# Altium PCB ReboostV2.1.PcbDoc (part 2 of 2)
Units mm, origin at the board's own origin, x right, y up, seen from the top; angles counter-clockwise.
Board outline 94.5 x 80.5 mm, 4 copper layers (Top Layer, Layer 1, Layer 2, Bottom Layer), stack 1.62 mm thick; 177 components, 113 nets, 589 pads, 278 vias.
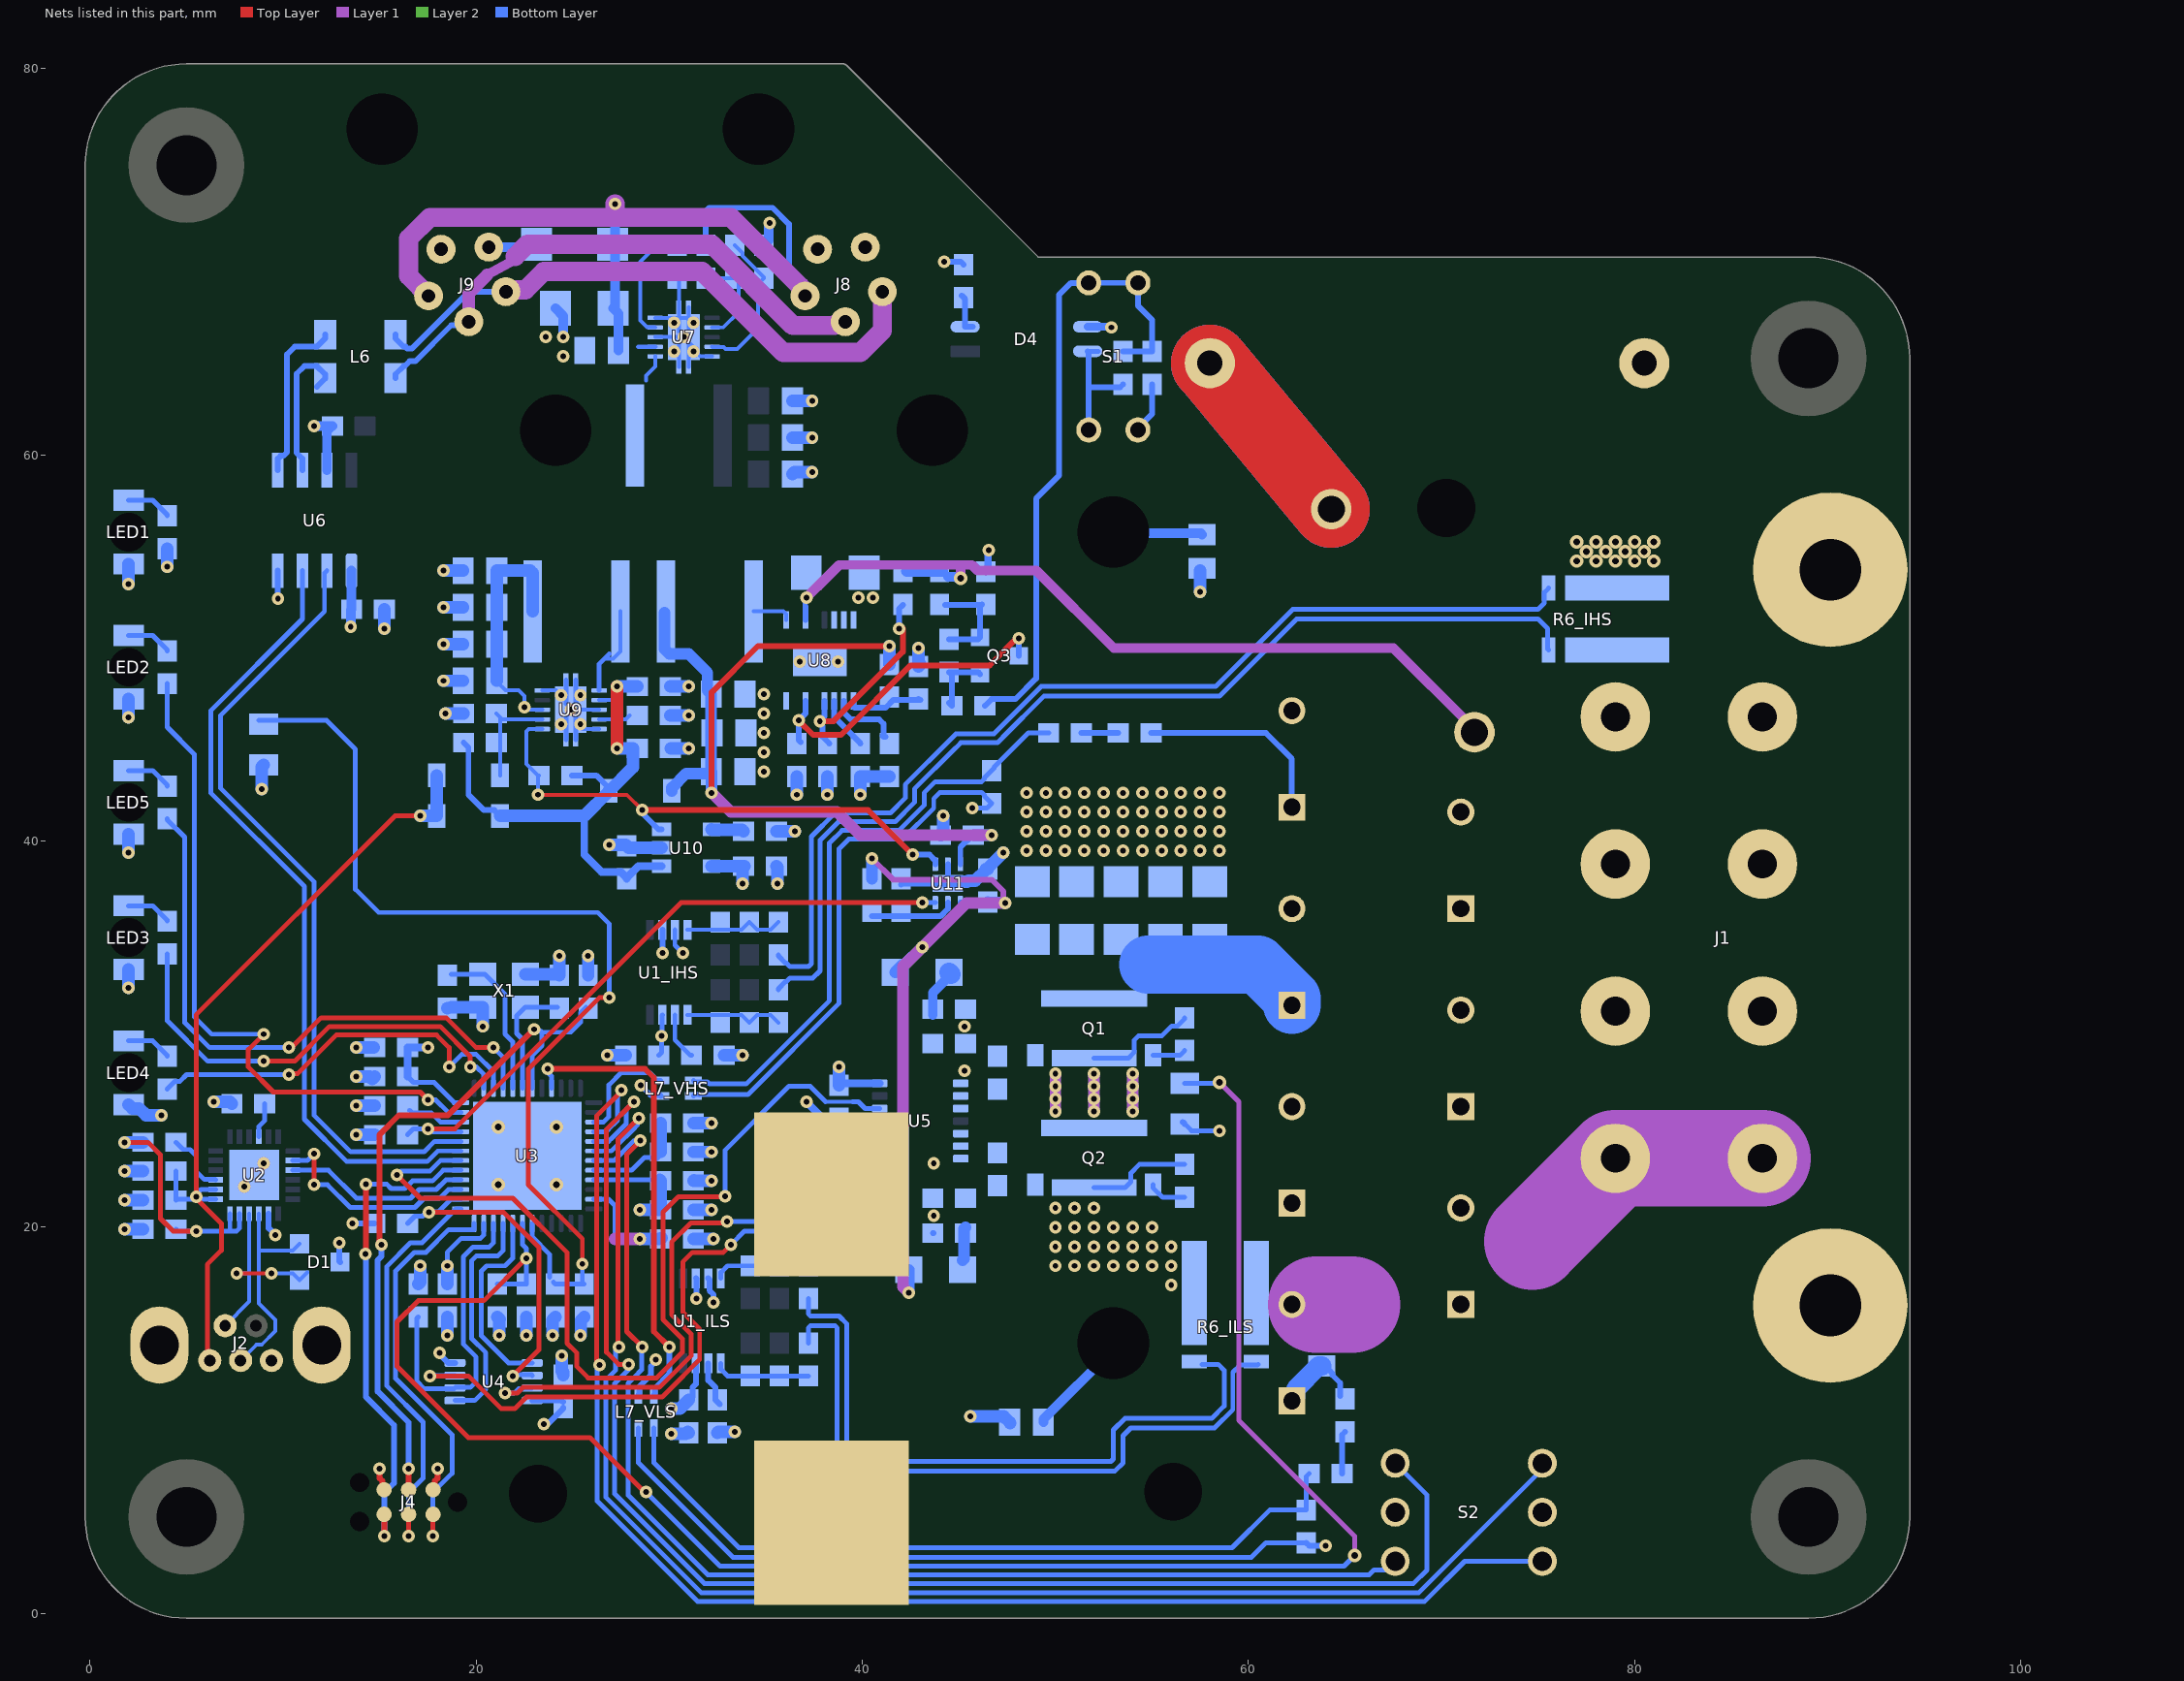
[diagram p4: the nets of this part, all layers, seen from the top]

## Via types
v1: diameter 0.65, hole 0.3, Top Layer to Bottom Layer, tented both sides, 256 vias
v2: diameter 0.7, hole 0.35, Top Layer to Bottom Layer, tented both sides, 22 vias

## Nets (pads, with @x,y where several pads share a name; then routed paths per layer and width w, separated by ;. In a path a pad name is that pad's centre, name@x,y a point inside that pad or via, vN(x,y) a via of type N, cw(c..) or ccw(c..) an arc to the next point about the centre after c; other vN are vias at no path point) (continued)
CANH: J8.2 J9.2 L6.3 | length 28.8
  Layer 1 w0.5: 20.573,69.327 22,70.1 22.024,70.124 22.024,70.284
  Layer 1 w0.65: J9.2@19.62,66.897 19.62,68.374 20.573,69.327
  Layer 1 w1: 22.024,70.284 22.641,70.9 32.2,70.9 36.4,66.7 38.569,66.7 38.671,66.802 J8.2@39.018,66.802
  Bottom Layer w0.3: L6.3@15.825,63.975 15.825,64.175 16.25,64.6 16.3,64.6 16.55,64.85 16.85,64.85 18.71,66.71 19.433,66.71 J9.2@19.62,66.897
CANL: J8.3 J9.3 L6.2 | length 31.5
  Layer 1 w1: J9.3@21.538,68.454 21.634,68.55 22.55,68.55 23.5,69.5 31.7,69.5 35.9,65.3 39.9,65.3 41.038,66.438 J8.3@41.038,68.454
  Bottom Layer w0.3: L6.2@15.825,66.225 15.825,66.025 16.25,65.6 16.35,65.6 16.434,65.516 16.683,65.516 19.621,68.454 J9.3@21.538,68.454
CANRX: U3.43 U6.3 | length 41.6
  Bottom Layer w0.25: U6.3@11,54 11,51.5 6.25,46.75 6.25,42.5 11.1,37.65 11.1,25.593 13.293,23.4 17.464,23.4 18.014,23.95 U3.43@19.2,23.95
CANTX: U3.44 U6.2 | length 41.1
  Bottom Layer w0.25: U6.2@12.27,54 12.145,53.875 12.145,51.895 6.75,46.5 6.75,42.75 11.6,37.9 11.6,25.8 13.5,23.9 17.3,23.9 17.85,24.45 U3.44@19.2,24.45
CGND: C39.1 C43.1 C44.1 C46.1 C47.1 C58.1 C62.1 D8.1 J8.4 J9.4 R29.1 R31.1 U6.7 U7.3@29.275,66.1 U7.5 U7.10 U7.CP | length 26.2
  Bottom Layer w0.2: U7.3@29.275,66.1 U7.CP@30.75,66.1 ; U7.5@29.275,67.1 U7.CP@30.5,67.1 ; C47.1@30.4,69.15 30.5,69.05 U7.CP@30.5,67.65 U7.CP@30.5,67.1 ; U7.CP@30.5,64.55 30.5,65.835 30.75,66.085 U7.CP@30.75,66.1 ; U7.CP@31,64.55 U7.CP@31,65.769 ; U7.CP@31,67.65 U7.CP@31,66.978 ; U7.CP@31.25,66.85 31.128,66.85 U7.CP@31,66.978 ; U7.10@32.225,65.1 31.6,65.1 31.204,65.496 31.204,65.646 U7.CP@30.75,66.1 ; U7.CP@30.5,67.1 30.5,66.365 U7.CP@30.75,66.115 ; U7.CP@30.5,67.1 30.878,67.1 U7.CP@31,66.978 ; U7.CP@30.75,66.1 U7.CP@30.75,66.115 ; U7.CP@30.75,66.115 30.75,66.181 31,66.431 U7.CP@31,66.978
  Bottom Layer w0.3: v1(44.25,70) 45.1,70 R29.1@45.25,69.85
  Bottom Layer w0.5: v1(11.6,61.5) C39.1@12.52,61.5 ; U6.7@12.27,59.2 12.27,61.25 C39.1@12.52,61.5 ; C39.1@12.55,61.5 C39.1@12.52,61.5 ; J9.4@20.655,70.761 22.991,70.761 D8.1@23.13,70.9 ; C44.1@24.1,67.6 24.5,67.2 v1(24.5,66.1) ; R31.1@34.9,70.85 35.15,71.1 35.15,71.909 35.2,71.959 v1(35.2,72)
  Bottom Layer w0.65: C46.1@36.375,59 36.475,59.1 v1(37.4,59.1) ; C62.1@36.375,60.9 v1(37.4,60.9) ; C58.1@36.375,62.8 v1(37.4,62.8)
  other v1: 24.5,65.1 23.6,66.1
D_N: D1.K1 J2.2 U2.4 | length 10.9
  Top Layer w0.2: v1(7.6,17.6) v1(9.4,17.6)
  Bottom Layer w0.2: J2.2@7,14.9 8.25,16.15 8.25,17.6 ; v1(7.6,17.6) 8.25,17.6 ; U2.4@8.25,20.7 8.25,17.6 ; v1(9.4,17.6) 10.5,17.6 D1.K1@10.85,17.25 D1.K1@11.25,17.65
D_P: D1.K2 J2.3 U2.3 | length 11.1
  Bottom Layer w0.2: J2.3@7.8,13.1 8.609,13.909 8.882,13.909 9.6,14.627 9.6,15.2 8.75,16.05 8.75,18.8 ; U2.3@8.75,20.7 8.75,18.8 ; D1.K2@10.85,19.15 10.5,18.8 8.75,18.8
DREN: U3.42 U5.5 | length 49.9
  Top Layer w0.25: v1(15.9,22.7) 17.1,21.5 21.9,21.5 24.7,18.7 24.7,14 25.2,13.5 25.2,12.8 25.8,12.2 29.355,12.2 30.675,13.52 30.675,14.225 29.675,15.225 29.675,20.775 30.475,21.575 v1@32.9,21.575
  Bottom Layer w0.2: 38.1,26.5 39.5,26.5
  Bottom Layer w0.25: v1(15.9,22.7) 16.1,22.9 17.6,22.9 18.15,23.45 U3.42@19.2,23.45 ; v1(32.9,21.6) 32.9,24 36.2,27.3 37.3,27.3 38.1,26.5 ; 39.5,26.5 39.8,26.5 40.15,26.15 U5.5@40.9,26.15
GND: C2_IHS.1 C2_ILS.1 C3_IHS.1 C3_ILS.1 C5.1 C6.1 C7.1 C8.1 C9.1 C10.1 C11.1 C12.1 C13.1 C14.1 C15.1 C16.1 C17.1 C18.1 C19.1 C20.1 C21.1 C22.2 C23.2 C24.2 C25.2 C26.2 C27.1 C28.2 C29.1 C30.1 C31.1 C32.1 C33.1 C36.1 C37.1 C38.1 C41.1 C42.1 C45.1 C48.1 C49.1 C50.1 C51.1 C52.1 C53.1 C54.1 C55.1 C56.1 C57.1 C59.1 C60.1 C64.1 C65.1 C66.1 C67.1 D1.A D4.3 J1.0 J2.0 J2.5 J4.5 L7_VHS.3 L7_VHS.4 L7_VLS.3 L7_VLS.4 LED1.1 LED2.1 LED3.1 LED4.1 LED5.1 Q2.S R6_IHS.1 R6_ILS.1 R15.2 R16.1 R17.1 R20.1 R21.1 R32.1 R34.1 R36.1 R37.1 R39.1 R40.1 R42.1 R48.1 R49_VHS.2 R49_VLS.2 R50.1 S1.2 S2.C U1_IHS.6 U1_ILS.6 U2.0 U2.2 U3.49 U4.4 U5.4 U5.12 U6.4 U8.6 U8.7 U8.8 U8.16 U8.17 U9.3@26.375,46.8 U9.5 U9.10 U9.CP U10.2 U11.5 U11.7 X1.0 | length 170.7
  Top Layer w0.3: v1(15,7.5) 15,7 15.134,6.866 15.134,6.496 J4.5@15.23,6.4
  Bottom Layer w0.2: U9.10@23.425,47.8 24.125,47.8 24.375,47.55 U9.CP@24.4,47.55 ; U9.CP@24.9,46.8 U9.3@26.375,46.8 ; U9.CP@25.5,45.8 U9.5@26.375,45.8
  Bottom Layer w0.25: U9.CP@24.65,45.25 24.65,46.482 U9.CP@24.9,46.732 ; U9.CP@24.65,48.35 24.65,47.118 U9.CP@24.9,46.868 ; U9.CP@25.15,45.25 25.15,46.482 U9.CP@24.9,46.732 ; U9.CP@25.15,48.35 25.15,47.118 U9.CP@24.9,46.868 ; L7_VLS.4@28.4,9.6 28.4,7.8 33.3,2.9 60.15,2.9 60.9,3.65 R49_VLS.2@63,3.65 ; L7_VHS.4@31.25,26.8 31.325,26.875 L7_VHS.4@31.56,26.875 ; L7_VHS.4@31.56,26.855 31.575,26.869 34.069,26.869 38.8,31.6 38.8,39.6 39.3,40.1 42.1,40.1 43.7,41.7 43.7,42.2 44.025,42.525 45.825,42.525 46.179,42.525 46.325,42.379 46.325,42.325 R49_VHS.2@46.7,41.95 46.45,41.7 v1(45.7,41.7) ; Q2.S@52,22.05 53.6,22.05 53.9,22.35 53.9,22.8 54.35,23.25 R50.1@56.7,23.25 ; R20.1@56.7,25.35 57.05,25 v1(58.5,25) ; U9.CP@24.9,46.732 U9.CP@24.9,46.8 U9.CP@24.9,46.868
  Bottom Layer w0.3: U2.2@9.25,20.7 9.25,19.95 v1(9.6,19.6) ; U6.4@9.73,54 9.733,53.997 9.733,52.553 v1(9.735,52.55) ; v1(12.9,19.2) 12.9,18.25 D1.A@12.95,18.2 ; v1(13.6,20.2) R17.1@14.75,20.2 ; v1(18.1,13.5) 18.1,13.425 18.55,12.975 U4.4@18.9,12.975 ; L7_VLS.3@28.4,11.3 28.45,11.35 28.45,11.75 29.05,12.35 29.05,12.792 29.3,13.042 v1(29.3,13.15) ; v1(28.525,27.35) 29.025,26.85 29.5,26.85 L7_VHS.3@29.55,26.8 ; U1_IHS.6@29.645,35.4 29.645,34.2 v1(29.65,34.195) ; U1_ILS.6@31.375,17.35 31.4,17.325 v1(31.4,16.3) ; R48.1@42,37.75 42.05,37.8 U11.7@44.43,37.8 U11.5@44.43,38.795 ; C59.1@43.65,19.7 C59.1@43.68,19.7 ; S1.2@54.27,61.29 54.27,61.386 55,62.116 R39.1@55,63.65 ; R20.1@56.6,25.45 R20.1@56.7,25.35 ; R49_VLS.2@63,3.65 63.15,3.5 v1(64,3.5)
  Bottom Layer w0.4: v1(37.1,26.5) 37.95,25.65 C60.1@38.8,25.65 38.95,25.5 U5.4@40.9,25.5 ; R37.1@46.4,53.95 46.51,54.06 46.51,55.027 v1(46.558,55.075) ; D4.3@51.675,66.635 52.865,66.635 v1(52.9,66.6)
  Bottom Layer w0.65: v1(1.8,19.9) C8.1@2.75,19.9 ; v1(1.8,21.4) C5.1@2.75,21.4 ; v1(1.8,22.9) C6.1@2.75,22.9 ; LED4.1@2,26.35 2.2,26.15 2.55,26.15 2.9,25.8 v1(3.7,25.8) ; v1(2,32.4) LED3.1@2,33.35 ; v1(2,39.4) LED5.1@2,40.35 ; v1(2,46.4) LED2.1@2,47.35 ; v1(2,53.3) LED1.1@2,54.35 ; v1(6.4,26.5) 7.25,26.5 C7.1@7.35,26.4 ; v1(8.9,42.7) 8.9,43.85 R21.1@9,43.95 ; v1(13.8,26.3) R15.2@14.75,26.3 ; v1(13.8,27.8) 14.5,27.8 14.625,27.675 C17.1@14.75,27.8 ; v1(13.8,29.3) C19.1@14.7,29.3 ; v1(15.25,51) C31.1@15.25,52 ; R16.1@17,17.05 17.1,17.15 v1(17.1,18) ; v1(18.3,48.3) C41.1@19.325,48.3 ; v1(18.3,50.2) C65.1@19.325,50.2 ; v1(18.3,52.1) C66.1@19.325,52.1 ; v1(18.3,54) C53.1@19.325,54 ; v1(18.4,46.6) R42.1@19.35,46.6 ; v1(18.5,14.4) C16.1@18.5,15.35 ; C10.1@18.7,31.4 X1.0@20.35,31.4 ; v1(20.35,30.4) X1.0@20.35,31.3 ; X1.0@22.55,33.1 C11.1@24.2,33.1 ; v1(22.6,14.4) C20.1@22.6,15.35 ; v1(23.95,14.4) 23.95,15.2 C21.1@24.1,15.35 ; C11.1@24.3,33.05 v1(24.3,34.05) ; v1(24.44,13.34) 24.44,12.55 24.5,12.49 C9.1@24.5,12.35 ; v1(26.8,28.9) C2_IHS.1@27.75,28.9 ; v1(26.9,39.8) 27.75,39.8 C54.1@27.8,39.75 27.895,39.655 29.6,39.655 U10.2@29.605,39.65 ; C55.1@30.05,46.5 v1(31,46.5) ; C42.1@30.05,48 v1(31,48) ; C52.1@30.075,44.8 v1(31,44.8) ; v1(30.1,9.3) 30.85,9.3 30.95,9.4 C13.1@31,9.35 ; C18.1@31.25,19.4 v1(32.3,19.4) ; C2_ILS.1@31.25,20.9 v1(32.2,20.9) ; C12.1@31.25,22.4 31.277,22.427 31.305,22.4 v1(32.2,22.4) ; C15.1@31.25,23.9 v1(32.2,23.9) ; C14.1@31.25,25.4 v1(32.2,25.4) ; C3_ILS.1@32.5,9.35 32.55,9.4 v1(33.4,9.4) ; C3_IHS.1@32.85,28.9 v1(33.8,28.9) ; C67.1@35.55,38.7 35.6,38.65 v1(35.6,37.8) ; C57.1@35.55,40.5 v1(36.5,40.5) ; v1(36.6,42.4) R34.1@36.6,43.35 ; v1(38.2,42.4) R32.1@38.2,43.35 ; v1(39.9,42.4) R40.1@39.9,43.35 C51.1@41.4,43.35 ; v1(42.9,50) R36.1@42.9,49.05 R36.1@43,49.15 ; C45.1@44.05,40.3 44.2,40.45 v1(44.2,41.3) ; U11.7@44.43,37.8 44.525,37.895 45.431,37.895 45.486,37.95 45.85,37.95 46.4,38.5 C56.1@46.4,38.55 ; v1(45.6,10.2) 47.325,10.2 C27.1@47.625,9.9 C27.1@47.663,9.862 ; C56.1@46.5,38.55 46.5,38.6 v1(47.3,39.4) ; v1(57.5,52.9) C29.1@57.5,54
  other v1: 56,17 50,18 51,18 52,18 53,18 54,18 55,18 56,18 50,19 51,19 52,19 53,19 54,19 55,19 56,19 50,20 51,20 52,20 53,20 54,20 55,20 43.7,20.6 50,21 51,21 52,21 8,22.1 9,23.3 43.7,23.3 48.5,39.5 49.5,39.5 50.5,39.5 51.5,39.5 52.5,39.5 53.5,39.5 54.5,39.5 55.5,39.5 56.5,39.5 57.5,39.5 58.5,39.5 48.5,40.5 49.5,40.5 50.5,40.5 51.5,40.5 52.5,40.5 53.5,40.5 54.5,40.5 55.5,40.5 56.5,40.5 57.5,40.5 58.5,40.5 48.5,41.5 49.5,41.5 50.5,41.5 51.5,41.5 52.5,41.5 53.5,41.5 54.5,41.5 55.5,41.5 56.5,41.5 57.5,41.5 58.5,41.5 48.5,42.5 49.5,42.5 50.5,42.5 51.5,42.5 52.5,42.5 53.5,42.5 54.5,42.5 55.5,42.5 56.5,42.5 57.5,42.5 58.5,42.5 34.9,43.6 34.9,44.6 34.9,45.6 34.9,46.6 34.9,47.6 36.75,49.3 38.75,49.3 39.8,52.6 40.55,52.6
  other v2: 21.15,22.2 24.15,22.2 21.15,25.2 24.15,25.2 77,54.5 78,54.5 79,54.5 80,54.5 81,54.5 77.5,55 78.5,55 79.5,55 80.5,55 77,55.5 78,55.5 79,55.5 80,55.5 81,55.5
HI: U4.7 U5.3 | length 31.4
  Top Layer w0.25: v1(21.5,11.4) 22.122,11.4 22.422,11.7 29.491,11.7 29.716,11.925 31.125,13.334 31.125,14.475 30.125,15.475 30.125,19.225 31.125,20.225 32.925,20.225 v1(33,20.3)
  Bottom Layer w0.25: v1(21.5,11.4) 21.955,11.4 22.204,11.649 22.874,11.649 U4.7@22.9,11.675 ; v1(33,20.3) 35.1,20.3 39.624,24.824 40.874,24.824 U5.3@40.9,24.85
HS: U3.33 U4.1 | length 12.1
  Bottom Layer w0.25: U4.1@18.9,11.025 19.925,11.025 20.5,11.6 20.5,13.5 19.775,14.225 19.775,18.275 20.025,18.525 21.125,18.525 21.4,18.8 U3.33@21.4,20.2
HSEN: R16.2 U3.34 U4.2 | length 16.4
  Bottom Layer w0.25: R16.2@17,15.35 16.925,15.275 16.925,12.02 17.32,11.625 18.85,11.625 18.925,11.7 19.7,11.7 20,12 20,13.277 19.325,13.952 19.325,18.461 19.839,18.975 20.675,18.975 20.9,19.2 U3.34@20.9,20.2
HSG: R22.1 U5.9
HSS: C40.1 C61.1 L2.1 Q1.S Q2.D R24.1 U5.8 | length 17.4
  Layer 1 w0.6: v1(50,26) v1@50,27.9 ; v1(52,26) v1(52,27.95) ; v1(54,26) v1@54,27.9
  Layer 2 w0.6: v1(50,26) v1@50,27.9 ; v1(52,26) v1@52,27.9 ; v1(54,26) v1@54,27.9
  Bottom Layer w0.25: Q1.S@52,28.75 53.775,28.75 54.075,29.05 54.075,29.675 54.3,29.9 55.5,29.9 56.025,30.425 56.325,30.425 56.7,30.8 R24.1@56.7,30.85
  other v1: 50,26.65 52,26.65 54,26.65 50,27.3 52,27.3 54,27.3 50,27.95 54,27.95 45.3,28.1 45.3,30.4
ID0: S2.1 U3.16 | length 77
  Top Layer w0.25: v1(26.4,12.875) 26.25,13.025 26.25,25.775 27.525,27.05 v1(27.525,27.1)
  Bottom Layer w0.25: U3.16@26.1,24.95 26.727,24.95 26.827,25.05 26.834,25.05 27.325,25.541 27.325,26.792 27.525,26.992 v1(27.525,27.1) ; v1(26.4,12.875) 26.4,12.8 26.275,12.675 26.275,5.816 31.466,0.625 69.125,0.625 71.2,2.7 S2.1@75.22,2.7
ID1: S2.2 U3.17 | length 75.8
  Top Layer w0.25: v1(27.9,12.9) 27.381,12.9 26.75,13.531 26.75,25.077 v1(28.173,26.5)
  Bottom Layer w0.25: U3.17@26.1,24.45 26.864,24.45 27.014,24.6 27.021,24.6 27.775,25.354 27.775,26.102 v1(28.173,26.5) ; v1(27.9,12.9) 27.9,12.636 27.175,11.911 27.175,6.189 31.814,1.55 68.55,1.55 69.25,2.25 69.25,6.13 S2.2@67.6,7.78
ID2: S2.4 U3.18 | length 77
  Top Layer w0.25: v1(27.4,13.8) 27.35,13.85 27.35,24.575 v1(28.425,25.65)
  Bottom Layer w0.25: U3.18@26.1,23.95 27,23.95 27.2,24.15 27.207,24.15 28.225,25.168 28.225,25.175 28.348,25.298 28.348,25.573 v1(28.425,25.65) ; v1(27.4,13.8) 27.225,13.625 27.225,12.598 26.725,12.098 26.725,6.002 31.652,1.075 68.825,1.075 S2.4@75.375,7.625
ID3: S2.8 U3.19 | length 63.3
  Top Layer w0.25: v1(28.5,24.5) 28.5,24.475 27.8,23.775 27.8,14.6 v1(28.6,13.8)
  Bottom Layer w0.25: U3.19@26.1,23.45 26.598,23.45 27.144,23.45 28.194,24.5 v1(28.5,24.5) ; v1(28.6,13.8) 28.575,13.775 28.575,12.62 28.179,12.225 27.875,11.921 27.875,6.125 32,2 66.25,2 66.5,2.25 S2.8@67.25,2.25
LED0: R5.2 U3.4 | length 31.1
  Top Layer w0.25: v1(10.3,29.3) 10.422,29.3 11.972,30.85 18.45,30.85 20,29.3 v1(20.9,29.3)
  Bottom Layer w0.25: R5.2@4,41.15 4,41.1 4.9,40.2 4.9,30.6 6.2,29.3 v1(10.3,29.3) ; v1(20.9,29.3) 21.4,28.8 U3.4@21.4,27.2
LED1: R4.2 U3.3 | length 20.8
  Top Layer w0.25: v1(10.3,27.9) 10.363,27.963 10.763,27.963 12.75,29.95 17.95,29.95 18.6,29.3 v1(18.6,28.3)
  Bottom Layer w0.25: R4.2@4,27.15 4,27.162 4.4,27.562 4.662,27.562 5,27.9 v1(10.3,27.9) ; v1(18.6,28.3) 19.25,28.95 20.002,28.95 20.9,28.052 U3.3@20.9,27.2
LED2: R3.2 U3.2 | length 23.5
  Top Layer w0.25: v1(9,28.6) 10.6,28.6 12.4,30.4 18.136,30.4 19.7,28.836 v1(19.7,28.3)
  Bottom Layer w0.25: R3.2@4,34.15 4,30.7 6.1,28.6 v1(9,28.6) ; v1(19.7,28.3) 20.015,28.3 20.4,27.915 U3.2@20.4,27.2
LED3: R2.2 U3.47 | length 35.8
  Top Layer w0.25: v1(9,30) 8.2,29.2 8.2,28.3 9.5,27 17.1,27 v1(17.5,26.6)
  Bottom Layer w0.25: R2.2@4,48.15 4,45.9 5.4,44.5 5.4,30.9 6.3,30 v1(9,30) ; v1(17.5,26.6) 17.9,26.6 18.55,25.95 U3.47@19.2,25.95
LO: U4.3 U5.2 | length 35.1
  Top Layer w0.25: v1(17.6,12.3) 19.6,12.3 21.3,10.6 22,10.6 22.6,11.2 29.627,11.2 29.902,11.475 31.575,13.148 31.575,14.725 30.7,15.6 30.7,18.2 31.2,18.7 32.8,18.7 v1(33.2,19.1)
  Bottom Layer w0.25: v1(17.6,12.3) 17.613,12.313 18.888,12.313 U4.3@18.9,12.325 ; v1(33.2,19.1) 33.9,19.8 35.3,19.8 39.649,24.149 40.849,24.149 U5.2@40.9,24.2
LS: U3.32 U4.5 | length 10.3
  Bottom Layer w0.25: U3.32@21.9,20.2 21.9,18.4 21.5,18 20.54,18 20.275,17.735 20.275,14.37 21.67,12.975 U4.5@22.9,12.975
LSEN: R17.2 U3.38 U4.6 | length 18
  Top Layer w0.25: v1(17.56,20.785) 21.415,20.785 23.25,18.95 23.25,13.65 v1(21.9,12.3)
  Bottom Layer w0.25: R17.2@16.45,20.2 16.825,20.575 17.228,20.575 17.438,20.785 v1(17.56,20.785) 17.575,20.8 18.052,20.8 18.702,21.45 18.838,21.45 U3.38@19.2,21.45 ; v1(21.9,12.3) 21.956,12.356 22.869,12.356 U4.6@22.9,12.325
LSG: R27.1 U5.13
NetC1_IHS_1: C1_IHS.1 R7_IHS.2 R8_IHS.1 U1_IHS.1 | length 5.2
  Bottom Layer w0.2: U1_IHS.1@30.945,31 33.75,31 C1_IHS.1@34.15,30.6 34.55,31 35.25,31 R7_IHS.2@35.65,30.6
NetC1_ILS_1: C1_ILS.1 R7_ILS.2 R8_ILS.1 U1_ILS.1 | length 5
  Bottom Layer w0.25: U1_ILS.1@32.675,12.95 32.675,12.645 33.02,12.3 R7_ILS.2@37.2,12.3
NetC3_IHS_2: C3_IHS.2 U1_IHS.2 | length 2.5
  Bottom Layer w0.25: U1_IHS.2@30.295,31 30.295,29.705 31.1,28.9 C3_IHS.2@31.15,28.9
NetC3_ILS_2: C3_ILS.2 U1_ILS.2 | length 2.4
  Bottom Layer w0.3: U1_ILS.2@32.025,12.95 32.025,12.075 32.4,11.7 32.4,11.05 C3_ILS.2@32.625,10.825
NetC4_IHS_1: C4_IHS.1 R9_IHS.2 R10_IHS.1 U1_IHS.8 | length 5.2
  Bottom Layer w0.2: U1_IHS.8@30.945,35.4 33.75,35.4 C4_IHS.1@34.15,35.8 34.55,35.4 35.25,35.4 R9_IHS.2@35.65,35.8
NetC4_ILS_1: C4_ILS.1 R9_ILS.2 R10_ILS.1 U1_ILS.8 | length 5
  Bottom Layer w0.25: U1_ILS.8@32.675,17.35 32.675,17.655 33.02,18 R9_ILS.2@37.2,18
NetC7_2: C7.2 U2.16 | length 1.8
  Bottom Layer w0.25: U2.16@8.75,24.7 8.75,25.225 9.05,25.525 C7.2@9.05,26.4
NetC10_2: C10.2 U3.5 X1.1 | length 8.3
  Bottom Layer w0.25: C10.2@18.7,33.1 X1.1@20.35,33.1 20.45,33.1 21.5,32.05 21.5,30 21.9,29.6 U3.5@21.9,27.2
NetC11_2: C11.2 U3.6 X1.2 | length 6.2
  Bottom Layer w0.25: U3.6@22.4,27.2 22.4,27.562 22.4,29.736 22.1,30.036 22.1,30.95 X1.2@22.55,31.4 C11.2@24.2,31.4
NetC14_2: C14.2 C15.2 U3.20 | length 5.3
  Bottom Layer w0.25: U3.20@26.1,22.95 28.05,22.95 28.713,23.613 C15.2@29.422,23.613 ; C15.2@29.335,23.525 C15.2@29.422,23.613 ; C15.2@29.51,23.7 C15.2@29.422,23.613
  Bottom Layer w0.65: C15.2@29.55,23.9 C14.2@29.55,25.4
NetC27_2: C27.2 MP1.1 | length 5.6
  Bottom Layer w0.5: C27.2@49.375,9.9 49.375,10.05 53,13.675 MP1.1@53,14
NetC29_2: C29.2 MP2.1 | length 4.7
  Bottom Layer w0.5: MP2.1@53,56 53.063,55.938 57.537,55.938 C29.2@57.6,55.875
NetC30_2: C30.2 C59.2 D2.2 U5.14 | length 1.8
  Bottom Layer w0.6: D2.2@45.2,18.3 45.275,18.375 45.275,19.925 C59.2@45.35,20
NetC40_2: C40.2 C61.2 D3.2 U5.10 | length 2.5
  Bottom Layer w0.5: C61.2@43.65,31 43.65,32.15 D3.2@44.5,33
  Bottom Layer w1: D3.2@44.5,33.2 D3.2@44.6,33.1
NetC47_2: C47.2 U7.4@29.275,66.6 | length 6.2
  Bottom Layer w0.2: U7.4@29.275,66.6 29.26,66.615 28.848,66.615 28.5,66.963 28.5,70 29,70.5 30.05,70.5 C47.2@30.4,70.85
NetC51_2: C51.2 U8.10 | length 3.7
  Bottom Layer w0.3: U8.10@39.05,47.25 39.05,46.65 39.4,46.3 40.874,46.3 41.1,46.074 C51.2@41.1,45.4 ; C51.2@41.05,45.45 C51.2@41.1,45.4 ; C51.2@41.2,45.4 C51.2@41.1,45.4